# Altium PCB PCB2.PcbDoc
Units mm, origin at the board's own origin, x right, y up, seen from the top; angles counter-clockwise.
Board outline 54.23 x 21.34 mm, 2 copper layers (Top Layer, Bottom Layer); 14 components, 7 nets, 35 pads, 1 vias.
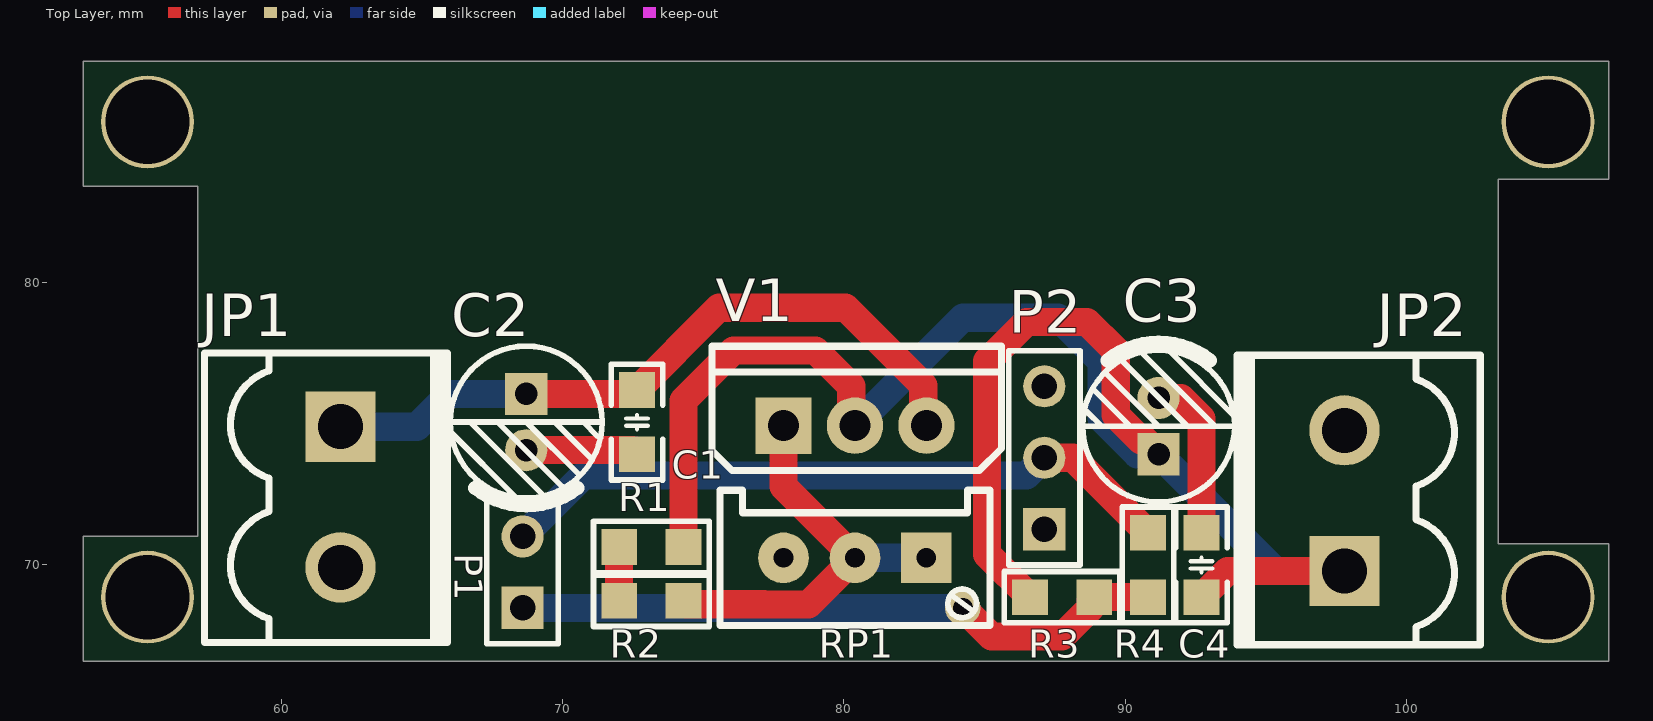
[diagram p0: Top Layer view]
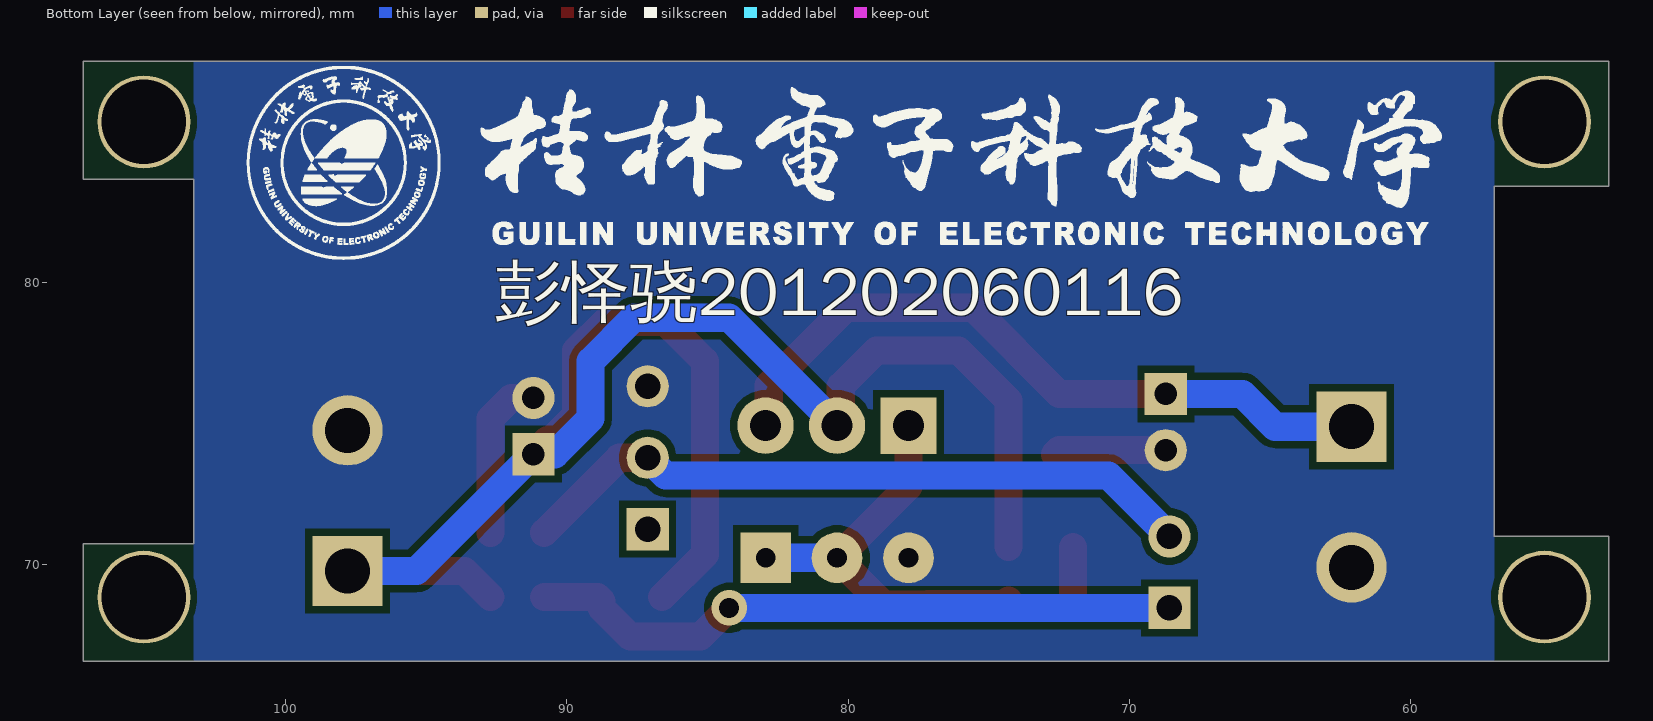
[diagram p1: Bottom Layer view, seen from below]

## Layer stack, top to bottom
Top Solder: solder mask 0.0102, Solder Resist, Dk 3.5
Top Layer: signal copper 0.0356
Dielectric 1: dielectric 0.32, FR-4, Dk 4.8
Bottom Layer: signal copper 0.0356
Bottom Solder: solder mask 0.0102, Solder Resist, Dk 3.5

## Board outline
52.959,70.993 57.023,70.993 57.023,83.439 52.959,83.439 52.959,87.884 107.188,87.884 107.188,83.693 103.251,83.693 103.251,70.739 107.188,70.739 107.188,66.548 52.959,66.548

## Design rules (kind name [scope] priority, off if disabled: settings)
Clearance [All] p1: gap=0.254 ignorepadtopadclearanceinfootprint=FALSE except(0: Arc-Hole Track-Hole SMDPad-Hole THPad-Hole Via-Hole Fill-Hole Poly-Hole Region-Hole Text-Hole)
PolygonConnect [All] p1: connectstyle=Direct reliefconductorwidth=0.254 reliefentries=4 polygonreliefangle="90 Angle" airgapwidth=0.254
RoutingVias [All] p1: holewidth=0.711 width=1.27 viastyle="Through Hole" minholewidth=0.711 minwidth=1.27 maxholewidth=0.711 maxwidth=1.27
SolderMaskExpansion [All] p1: expansion=0.102 istentingtop=FALSE
Width [All] p1: maxlimit=2 minlimit=0.254 preferedwidth=1
30 further rules are at their usual default settings.

## Components (designator, comment, footprint, x,y, rotation, side; value= is the part's Value field where it differs from the comment)
C1 "104" "C 0805_M" 72.644,75.057 r90 top
C2 "10uF" "CAP 2.0*5*11" 68.707,75.057 r270 top
C3 "10uF" "CAP 2.0*5*11" 91.186,74.914 r90 top
C4 "104" "C 0805_M" 92.71,69.977 r270 top
JP1 "HDR-1X2" KF2EDGK5.0-LI-2P 62.103,72.39 r270 top
JP2 "HDR-1X2" KF2EDGK5.0-LI-2P 97.79,72.263 r90 top
P1 "Header 2" HDR1X2 68.58,68.453 r90 top
P2 "Header 3" HDR1X3 87.122,71.247 r90 top
R1 "1K" "R 0805_M" 73.152,70.612 r0 top
R2 "1K" "R 0805_M" 73.152,68.707 r180 top
R3 "1K" "R 0805_M" 87.757,68.834 r180 top
R4 "1K" "R 0805_M" 90.805,69.977 r270 top
RP1 "10K" 3296W 80.391,70.231 r180 top
V1 "LM317" TO220A 80.391,74.93 r0 top

## Footprints (in the part's own frame and the unit in brackets; to place one, negate y for a bottom-side part, rotate by r counter-clockwise, add the part's x,y. Pads: shape width x height; smd on the part's side, far side on the other; paste and mask are expansions set on the pad)
3296W [mm] "Precise Multi-Winding Adjustable Resistor"
  rect 1.8x1.8 hole 0.7: 1(-2.54,0)
  round 1.8 hole 0.7: 2(0,0) 3(2.54,0)
  silkscreen extent -4.8,-2.4 4.8,2.4, body extent -4.75,-2.4 4.75,2.4, height 11.52
"C 0805_M" [mil] "无极性贴片电容"
  rect 50x50 smd: 1(-45,0) 2(45,0)
  silkscreen extent -81,-36 81,36, body extent -39,-24 39,24, height 20
"CAP 2.0*5*11" [mm] "脚距2mm直径5mm高度11mm"
  rect 1.5x1.5 hole 0.8: 1(-1,0)
  round 1.5 hole 0.8: 2(1,0)
  silkscreen extent -2.7,-2.7 2.96,2.7, body extent -2.5,-2.5 2.51,2.5, height 11.04
HDR1X2 [mm] "Connector; Header; 2 Position"
  rect 1.5x1.5 hole 0.9: 1(0,0)
  round 1.5 hole 0.9: 2(2.54,0)
  silkscreen extent -1.27,-1.27 3.81,1.27
HDR1X3 [mm] "Connector; Header; 3 Position"
  rect 1.5x1.5 hole 0.9: 1(0,0)
  round 1.5 hole 0.9: 2(2.54,0) 3(5.08,0)
  silkscreen extent -1.27,-1.27 6.35,1.27
KF2EDGK5.0-LI-2P [mm] "立插端子"
  rect 2.5x2.5 hole 1.6: 1(-2.5,0)
  round 2.5 hole 1.6: 2(2.5,0)
  silkscreen extent -5.12,-4.83 5.17,3.81, body extent -5.04,-4.75 5.04,3.75, height 11.25
"R 0805_M" [mil] "1/8W贴片电阻"
  rect 50x50 smd: 1(-45,0) 2(45,0)
  silkscreen extent -81,-36 81,36, body extent -39,-25 39,25, height 20
TO220A [mm] "220，3脚晶体管"
  rect 2x2 hole 1.1: 1(-2.54,0)
  round 2 hole 1.1: 2(0,0) 3(2.54,0)
  silkscreen extent -5.08,-1.6 5.21,2.82, body extent -5.15,-1.53 5.15,2.9, height 18.5

## Part data
C1 C4: library part C, "贴片电容", BOM名称=贴片电容, 下单链接=https://item.taobao.com/item.htm?ft=t&id=613637044352, 淘宝ID=小糖豆的小窝窝
C2 C3: library part CE, "直插电解电容", BOM名称=直插电解电容, 下单链接=https://item.taobao.com/item.htm?ft=t&id=613637044352, 淘宝ID=小糖豆的小窝窝
JP1 JP2: library part "Header 2", "2P接插件", BOM名称=2P接插件, 下单链接=https://item.taobao.com/item.htm?ft=t&id=613637044352, 淘宝ID=小糖豆的小窝窝
P1: "Header, 2-Pin", LatestRevisionDate=17-Jul-2002, LatestRevisionNote="Re-released for DXP Platform.", Publisher="Altium Limited"
P2: "Header, 3-Pin", LatestRevisionDate=17-Jul-2002, LatestRevisionNote="Re-released for DXP Platform.", Publisher="Altium Limited"
R1 R2 R3 R4: library part R, "贴片电阻", BOM名称=贴片电阻, 下单链接=https://item.taobao.com/item.htm?ft=t&id=613637044352, 淘宝ID=小糖豆的小窝窝
RP1: library part RP, "单联电位器", BOM名称=单联电位器, 下单链接=https://item.taobao.com/item.htm?ft=t&id=613637044352, 淘宝ID=小糖豆的小窝窝
V1: "可调线性稳压芯片", BOM名称=可调线性稳压芯片, 下单链接=https://item.taobao.com/item.htm?ft=t&id=613637044352, 淘宝ID=小糖豆的小窝窝

## Free pads (board coordinates)
  round 3.3 hole 3: 1(55.245,85.725) 2(55.245,68.834) 3(105.029,68.834) 4(105.029,85.725)

## Via types
v1: diameter 1.27, hole 0.711, Top Layer to Bottom Layer, 1 vias

## Nets (pads, with @x,y where several pads share a name; then routed paths per layer and width w, separated by ;. In a path a pad name is that pad's centre, name@x,y a point inside that pad or via, vN(x,y) a via of type N, cw(c..) or ccw(c..) an arc to the next point about the centre after c; other vN are vias at no path point)
NetC1_1: C1.1 C2.2 C3.2 C4.1 JP1.2 JP2.2 P2.3 RP1.3 | length 9.9
  Top Layer w1: C2.2 72.501,74.057 C1.1 ; C3.2 91.98,75.914 92.71,75.184 C4.1
NetC1_2: C1.2 C2.1 JP1.1 V1.3 | length 25.1
  Top Layer w1: C2.1 72.501,76.057 75.565,79.121 80.055,79.121 82.821,76.355 82.821,75.04 V1.3
  Bottom Layer w1: JP1.1 64.821,74.89 65.988,76.057 C2.1
NetC3_1: C3.1 C4.2 JP2.1 R1.2 R3.2 V1.2 | length 62.2
  Top Layer w1: R1.2 74.295,75.819 76.073,77.597 78.994,77.597 80.258,76.333 80.258,75.063 V1.2 ; R3.2 85.09,70.358 85.09,77.216 86.487,78.613 88.646,78.613 89.662,77.597 89.662,75.311 90.563,74.41 90.69,74.41 C3.1 ; C4.2 93.639,69.763 JP2.1
  Bottom Layer w1: V1.2 84.226,78.765 87.605,78.765 89.154,77.216 89.154,75.184 90.424,73.914 C3.1 95.337,69.763 JP2.1
NetP1_1: P1.1 R3.1 R4.2 | length 23.4
  Top Layer w1: v1(84.226,68.453) 85.242,67.437 87.757,67.437 88.765,68.445 88.765,68.699 R3.1 R4.2
  Bottom Layer w1: P1.1 v1(84.226,68.453)
NetP1_2: P1.2 P2.2 R4.1 | length 24.5
  Top Layer w1: P2.2 88.138,73.787 R4.1
  Bottom Layer w1: P1.2 70.739,73.152 86.487,73.152 P2.2
NetR1_1: R1.1 R2.2 | length 1.9
  Top Layer w1: R2.2 R1.1
NetR2_1: R2.1 RP1.1 RP1.2 V1.1 | length 15.1
  Top Layer w1: R2.1 74.419,68.583 77.16,68.583 77.166,68.577 78.737,68.577 RP1.2 77.851,72.771 V1.1
  Bottom Layer w1: RP1.2 RP1.1
pads on no net: P2.1

## Polygon pours and split planes (outlines as drawn)
NetC1_1 on Bottom Layer "NETC1_1_L02_P000" (solid, remove dead copper, pour order 0): 57.023,87.884 57.023,66.548 103.251,66.548 103.251,87.884

## Silkscreen, mask and mechanical layers (free items; w line width, h text height)
Bottom Overlay:
  drawing of 19101 lines, arcs and shapes, not listed
  text "彭怿骁201202060116" at 92.545,78.272 h3
Mechanical 1:
  lines w0.8: 56.896,87.884 52.959,87.884 52.959,83.439 57.023,83.439 57.023,70.993 56.896,70.993 52.959,70.993 52.959,66.548 56.967,66.548 ; 57.023,66.548 103.124,66.548 103.251,66.548 107.315,66.548 107.315,71.12 103.251,71.12 103.251,83.566 107.188,83.566 107.188,87.884 103.251,87.884 57.023,87.884